# Altium PCB MD070B.PcbDoc (part 1 of 2) (continued)
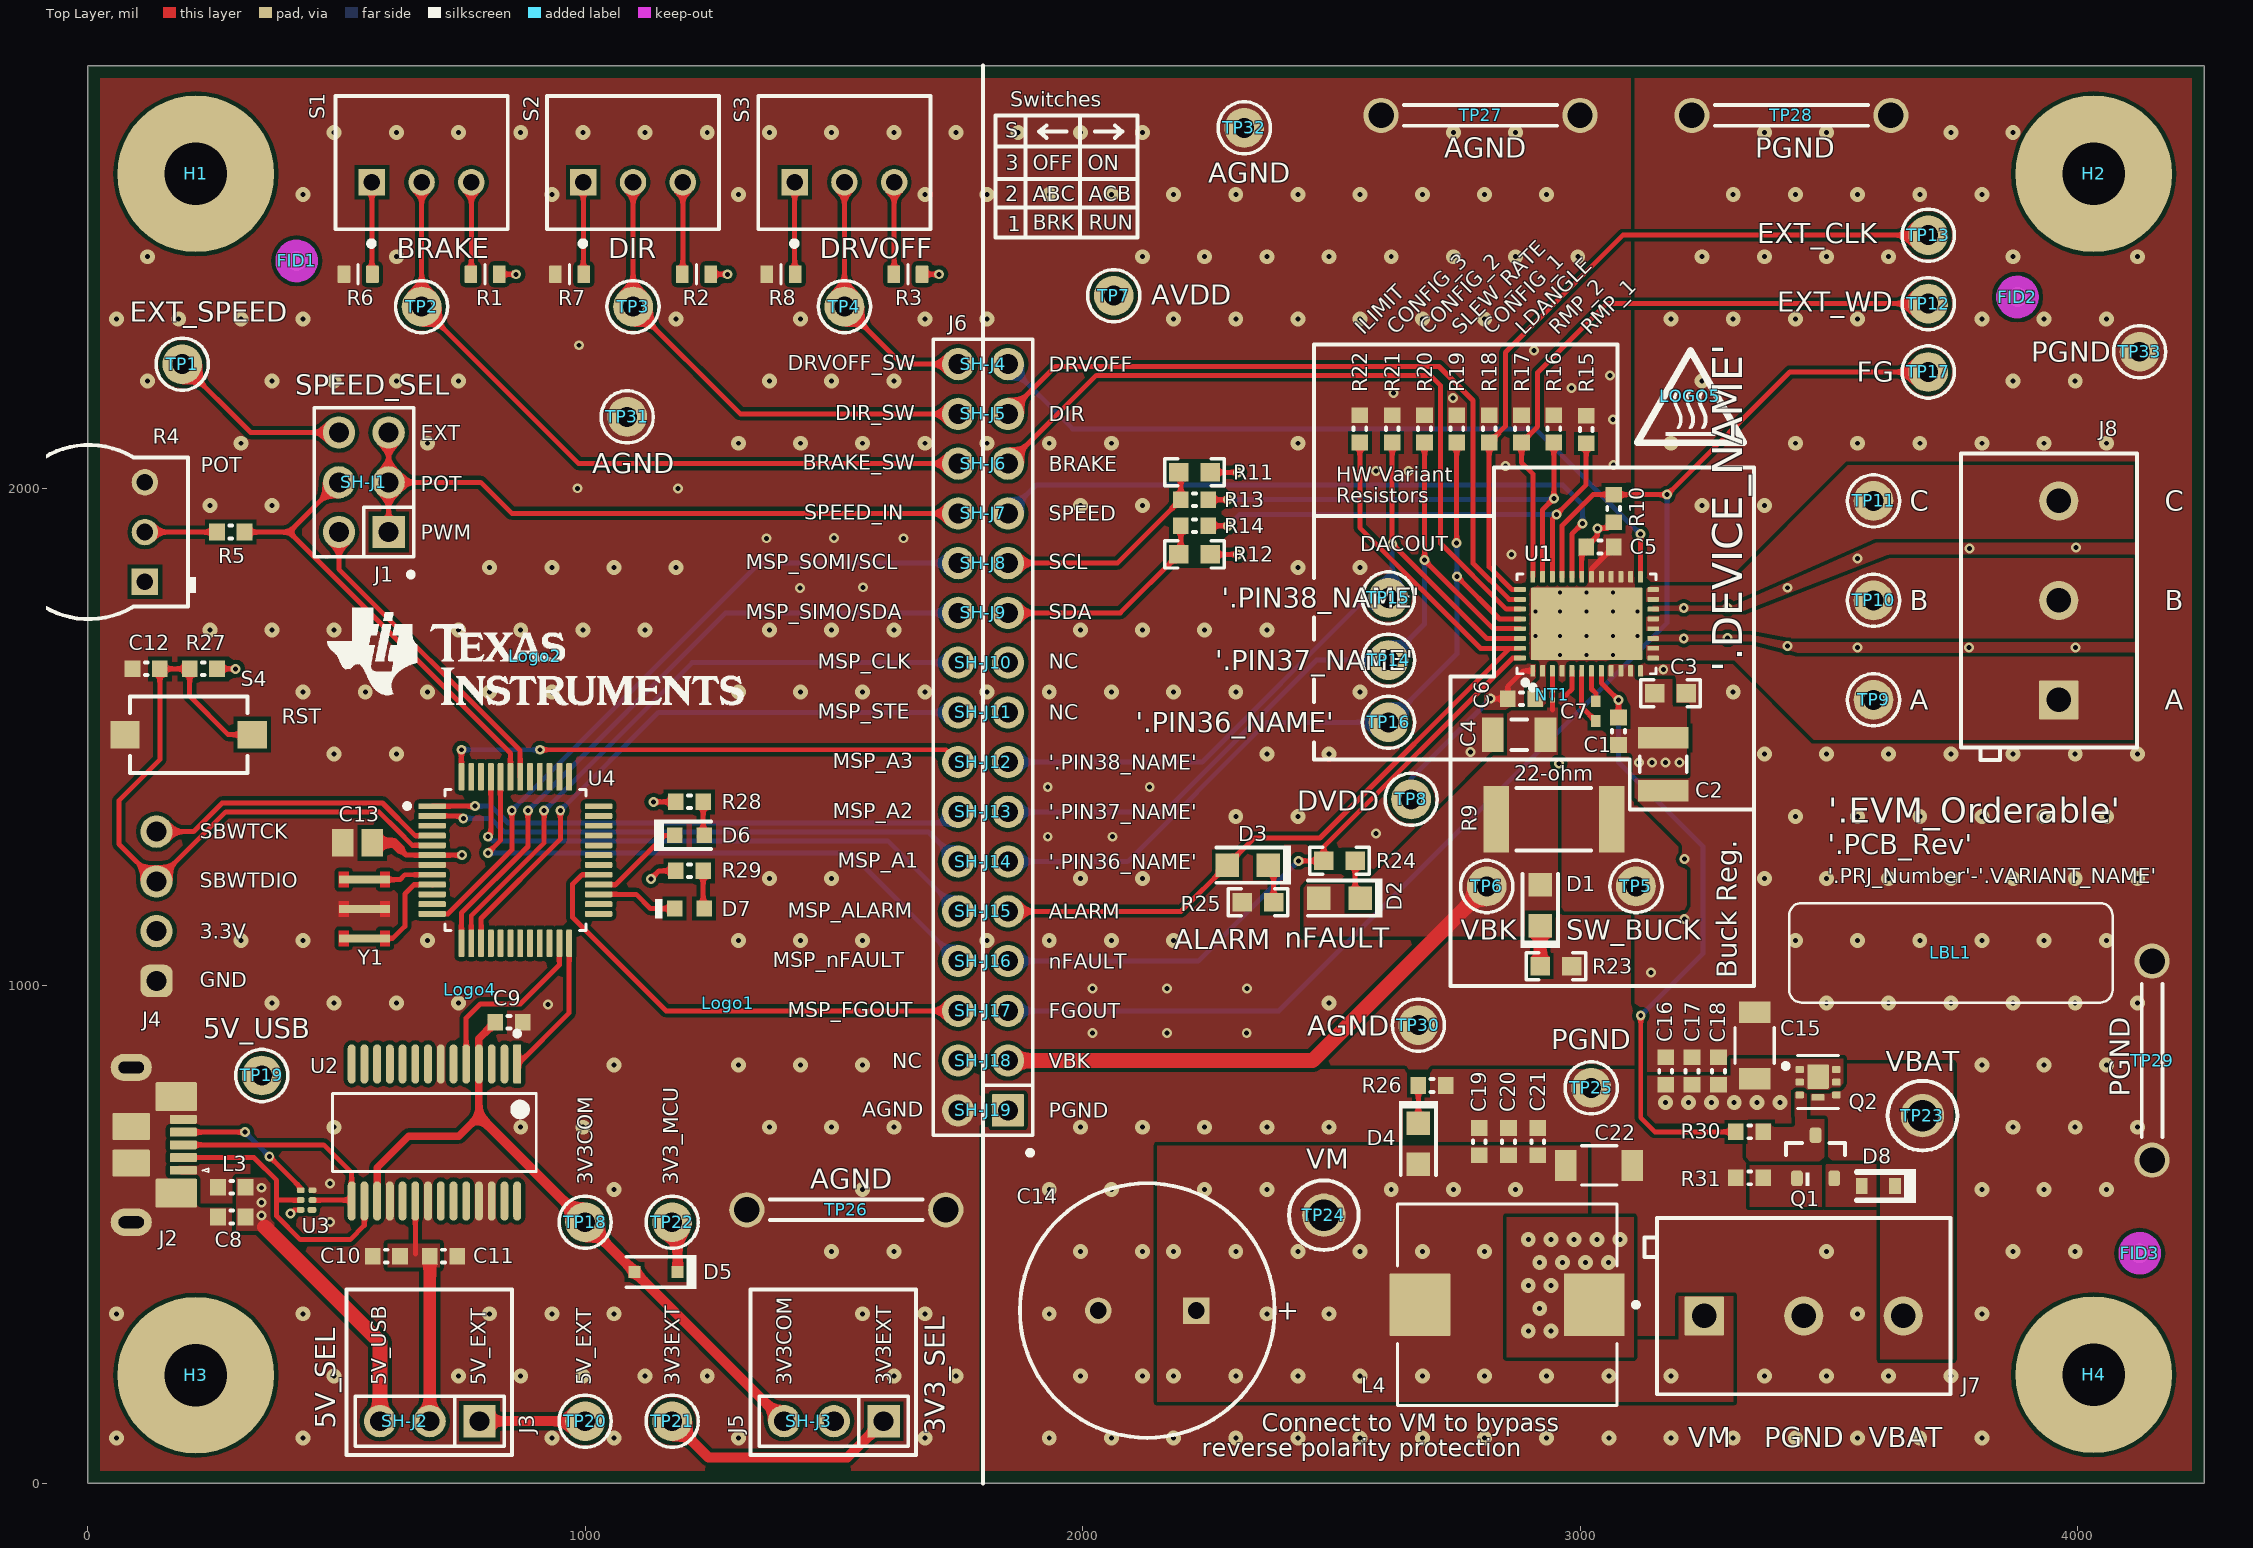
[diagram p0: Top Layer view]
## Components (designator, comment, footprint, x,y, rotation, side; value= is the part's Value field where it differs from the comment)
C1 "EMK107B7105KAHT" 0603L 3077.5,1511.99 r270 top value=1uF
C2 "GRM32ER71J106KA12L" 1210_270L 3167.36,1445.42 r270 top value=10uF
C3 "GRM188R72A104KA35D" 0603 3182.03,1588.3 r0 top value=0.1uF
C4 "GRM31CR71A226KE15L" 1206_180L 2877.5,1505 r180 top value=22uF
C5 "C0603C105K9RACAUTO" 0603L 3040,1882.5 r180 top value=1uF
C6 "C0603C105K9RACAUTO" 0603L 2882.5,1577.5 r180 top value=1uF
C7 "C1005X7R1H473K050BB" 0402L 3031.83,1552.5 r270 top value=0.047uF
C8 "0603ZC104KAT2A" 0603L 289.64,535.59 r180 top value=0.1uF
C9 "0603ZC104KAT2A" 0603L 847.14,927.09 r0 top value=0.1uF
C10 "GRM188Z71A475ME15D" 0603L 600.29,456.84 r0 top value=4.7uF
C11 "0603ZC104KAT2A" 0603L 715.29,456.96 r0 top value=0.1uF
C12 "885012206034" 0603L 117.5,1637.5 r180 top value=1000pF
C13 "885012207103" 0805L 542.5,1287.5 r180 top value=1uF
C14 "ELXZ630ELL331MK20S" Chemi-Con_1250x2000 2130,347.5 r180 top value=330uF
C15 "CL31B105KCHNNNE" 1206_180 3350.96,880.34 r90 top value=1uF
C16 "CGA3E3X7S2A104K080AB" 0603L 3172.01,828.83 r90 top value=0.1uF
C17 "CGA3E2X7R2A103K080AA" 0603L 3225.22,828.83 r90 top value=0.01uF
C18 "CGA3E2X7R2A102K080AA" 0603L 3278.42,828.83 r90 top value=1000pF
C19 "CGA3E2X7R2A102K080AA" 0603L 2797.51,686.94 r90 top value=1000pF
C20 "CGA3E2X7R2A103K080AA" 0603L 2856.26,686.94 r90 top value=0.01uF
C21 "CGA3E3X7S2A104K080AB" 0603L 2915.01,686.94 r90 top value=0.1uF
C22 "CL31B105KCHNNNE" 1206_180 3038.46,639.14 r0 top value=1uF
D1 "LTST-C170KGKT" LTST-C170KGKT_Green 2920,1162.5 r270 top value=Green
D2 "LTST-C170KRKT" LED_LTST-C170_Red 2516.5,1176.5 r0 top value=Red
D3 "LTST-C170KRKT" LED_LTST-C170_Red 2332.16,1243 r0 top value=Red
D4 "LTST-C170KGKT" LTST-C170KGKT_Green 2675,682.5 r90 top value=Green
D5 "BAT165E6327HTSA1" SOD-323 1142.5,425 r180 top value=40V
D6 "LTST-C190KRKT" LED_LTST-C190_Red 1209.64,1302.7 r180 top value=Red
D7 "LTST-C190KGKT" LED_LTST-C190_G 1209.64,1155.59 r180 top value=Green
D8 "CDSU101A" SOD-523F 3599.64,597.8 r180 top value=90V
FID1 "Fiducial" Fiducial10-20 420,2457.5 r0 top
FID2 "Fiducial" Fiducial10-20 3879.4,2385 r0 top
FID3 "Fiducial" Fiducial10-20 4125,462.5 r0 top
H1 "NY PMS 440 0025 PH" "NY PMS 440 0025 PH" 217.5,2632.5 r0 top
H2 "NY PMS 440 0025 PH" "NY PMS 440 0025 PH" 4032.5,2632.5 r0 top
H3 "NY PMS 440 0025 PH" "NY PMS 440 0025 PH" 217.5,217.5 r0 top
H4 "NY PMS 440 0025 PH" "NY PMS 440 0025 PH" 4032.5,218.36 r0 top
H5 "Nut" Keystone_1902C 217.5,2632.5 r180 bottom
H6 "Nut" Keystone_1902C 4032.5,2632.5 r180 bottom
H7 "Nut" Keystone_1902C 217.5,217.5 r180 bottom
H8 "Nut" Keystone_1902C 4032.5,218.36 r180 bottom
J1 "Header_3x2" TSW-103-07-G-D 555.01,2012.5 r90 top
J2 "1051640001" Molex_1051640001 30.41,680.59 r270 top
J3 "Header_3x1" PBC03SAAN 687.5,125 r180 top
J4 "TSW-104-07-G-S" TSW-104-07-G-S 138.36,1160.18 r90 top
J5 "Header_3x1" PBC03SAAN 1500,125 r180 top
J6 "TSW-116-07-G-D" TSW-116-07-G-D 1800,1500 r90 top
J7 "POWER_IN" On-Shore_ED120_3DS 3449.83,336.64 r0 top
J8 "MOTOR_OUT" On-Shore_ED120_3DS 3962.5,1775 r90 top
L1 "78438335470" WE-MAIA_3015 2962.5,1332.5 r180 bottom value=47uH
L2 "78438335220" WE-MAIA_3015 2962.5,1180 r180 bottom value=22uH
L3 "BLM18SG121TZ1D" 0603L 289.64,595.24 r180 top
L4 "HCM1A1104V2-1R0-R" FP-HCM1A1104V2-1R0-R_SMD2-MFG 2853.46,359.14 r180 top value=1uH
LBL1 "THT-14-423-10" Label_650x200 3745.5,1066.57 r180 top
Logo1 "CE Mark" CE_Mark_5mm 1287.85,965 r180 top
Logo2 "Texas Instruments" TI_Stacked_Overlay_Small 900,1662.5 r0 top
Logo3 "FCC disclaimer" FCC_disclaimer 8817.5,5262.5 r90 top
Logo4 "WEEE logo" WEEE_Minimum 769.14,992.5 r180 top
LOGO5 "CAUTION HOT SURFACE" IEC_HotSurface_Small 3222.08,2185 r0 top
LOGO6 "CAUTION HOT SURFACE" IEC_HotSurface_Small 2791,1733.5 r180 bottom
NT1 "Net-Tie" Net-Tie_10mil 2944.39,1585 r270 top net-tie
NT2 "Net-Tie" Net-Tie_50milWide_30milLong 2287.5,832.5 r270 bottom net-tie
Q1 "FMMT620TA" SOT-23L 3473.46,656.64 r90 top value="80 V"
Q2 "BUK9D23-40EX" FP-BUK9D23-40EX_SOT1220-MFG 3478.46,806.64 r0 top
R1 "ERA-3ARB103V" FP-ERA-3ARB103V_0603-MFG 798.83,2430.7 r0 top value=10k
R2 "ERA-3ARB103V" FP-ERA-3ARB103V_0603-MFG 1223.83,2430.7 r0 top value=10k
R3 "ERA-3ARB103V" FP-ERA-3ARB103V_0603-MFG 1648.83,2430.7 r0 top value=10k
R4 "3352T-1-253LF" Bourns_3352T 115,1912.5 r90 top value="25 kohm"
R5 "ERJ-3GEY0R00V" 0603L 287.5,1912.5 r180 top value=0
R6 "ERA-3ARB103V" FP-ERA-3ARB103V_0603-MFG 543.77,2430.7 r0 top value=10k
R7 "ERA-3ARB103V" FP-ERA-3ARB103V_0603-MFG 968.71,2430.7 r0 top value=10k
R8 "ERA-3ARB103V" FP-ERA-3ARB103V_0603-MFG 1393.71,2430.7 r0 top value=10k
R9 "CRCW251222R0JNEGHP" 2512 2947.5,1335 r180 top value=22
R10 "CRCW06035K10JNEA" 0603L 3067.5,1960 r270 top value=5.1k
R11 "CRCW060310K0JNEA" 0603 2225,2032.5 r180 top value=10k
R12 "CRCW060310K0JNEA" 0603 2225,1867.5 r180 top value=10k
R13 "ERJ-3GEY0R00V" 0603L 2225,1977.5 r0 top value=0
R14 "ERJ-3GEY0R00V" 0603L 2225,1925 r0 top value=0
R15 "ERJ-3GEY0R00V" 0603L 3012.5,2118.5 r90 top value=0
R16 "ERJ-3GEY0R00V" 0603L 2947.5,2120 r90 top value=0
R17 "ERJ-3GEY0R00V" 0603L 2882.5,2120 r90 top value=0
R18 "ERJ-3GEY0R00V" 0603L 2817.5,2120 r90 top value=0
R19 "ERJ-3GEY0R00V" 0603L 2752.5,2120 r90 top value=0
R20 "ERJ-3GEY0R00V" 0603L 2687.5,2120 r90 top value=0
R21 "ERJ-3GEY0R00V" 0603L 2622.5,2120 r90 top value=0
R22 "ERJ-3GEY0R00V" 0603L 2557.5,2120 r90 top value=0
R23 "RC0603FR-071KL" 0603 2951.5,1040 r180 top value=1.00k
R24 "RC0603FR-071KL" 0603 2516.5,1251.5 r0 top value=1.00k
R25 "RC0603JR-07470RL" 0603 2352.5,1168 r0 top value=470
R26 "RT0603BRD074K7L" 0603L 2702.56,800 r180 top value=4.70k
R27 "RC0603JR-0747KL" 0603L 232.5,1637.5 r0 top value=47k
R28 "RC0603JR-07470RL" 0603L 1209.64,1370.2 r180 top value=470
R29 "RC0603JR-07470RL" 0603L 1209.64,1231.43 r180 top value=470
R30 "CRCW060310K0JNEA" 0603L 3340.96,706.64 r0 top value=10k
R31 "CRCW060310K0JNEA" 0603L 3340.96,614.14 r180 top value=10k
R32 "RCA12060000ZSEA" 1206L 3107.5,2625 r0 bottom value=0
S1 "SW_SPDT_COM2_1_3" SW_B12AP 671.27,2655.07 r90 top
S2 "SW_SPDT_COM2_1_3" SW_B12AP 1096.27,2655.07 r90 top
S3 "SW_SPDT_COM2_1_3" SW_B12AP 1521.27,2655.07 r90 top
S4 "SW_SPST-single" SW_434121025816 203,1505.27 r180 top
SH-J1 "SNT-100-BK-G" SNT-100-BK-G 555,2012.5 r180 top value=1x2
SH-J2 "SNT-100-BK-G" SNT-100-BK-G 637.5,125 r0 top value=1x2
SH-J3 "SNT-100-BK-G" SNT-100-BK-G 1450,125 r0 top value=1x2
SH-J4 "SNT-100-BK-G" SNT-100-BK-G 1800,2250 r180 top value=1x2
SH-J5 "SNT-100-BK-G" SNT-100-BK-G 1800,2150 r180 top value=1x2
SH-J6 "SNT-100-BK-G" SNT-100-BK-G 1800,2050 r180 top value=1x2
SH-J7 "SNT-100-BK-G" SNT-100-BK-G 1800,1950 r180 top value=1x2
SH-J8 "SNT-100-BK-G" SNT-100-BK-G 1800,1850 r180 top value=1x2
SH-J9 "SNT-100-BK-G" SNT-100-BK-G 1800,1750 r180 top value=1x2
SH-J10 "SNT-100-BK-G" SNT-100-BK-G 1800,1650 r180 top value=1x2
SH-J11 "SNT-100-BK-G" SNT-100-BK-G 1800,1550 r180 top value=1x2
SH-J12 "SNT-100-BK-G" SNT-100-BK-G 1800,1450 r180 top value=1x2
SH-J13 "SNT-100-BK-G" SNT-100-BK-G 1800,1350 r180 top value=1x2
SH-J14 "SNT-100-BK-G" SNT-100-BK-G 1800,1250 r180 top value=1x2
SH-J15 "SNT-100-BK-G" SNT-100-BK-G 1800,1150 r180 top value=1x2
SH-J16 "SNT-100-BK-G" SNT-100-BK-G 1800,1050 r180 top value=1x2
SH-J17 "SNT-100-BK-G" SNT-100-BK-G 1800,950 r0 top value=1x2
SH-J18 "SNT-100-BK-G" SNT-100-BK-G 1800,850 r0 top value=1x2
SH-J19 "SNT-100-BK-G" SNT-100-BK-G 1800,750 r0 top value=1x2
TP1 "EXT_SPEED" Keystone5002 190,2250 r90 top
TP2 "BRAKE_SW" Keystone5002 671.27,2365.7 r270 top
TP3 "DIR_SW" Keystone5002 1096.27,2365.7 r270 top
TP4 "DRVOFF_SW" Keystone5002 1521.27,2365.7 r270 top
TP5 "SW_BUCK" Keystone5000 3112.5,1200 r90 top
TP6 "VBK" Keystone5000 2812.5,1200 r90 top
TP7 "AVDD" Keystone5000 2062.62,2387.68 r90 top
TP8 "DVDD" Keystone5000 2660.5,1375 r90 top
TP9 "OUTA" Keystone5000 3590,1575 r90 top
TP10 "OUTB" Keystone5000 3590,1775 r90 top
TP11 "OUTC" Keystone5000 3590,1975 r90 top
TP12 "EXT_WD" Keystone5002 3700,2371.75 r90 top
TP13 "EXT_CLK" Keystone5002 3700,2509.25 r90 top
TP14 "PIN_37" Keystone5002 2615,1655 r90 top
TP15 "PIN_38" Keystone5002 2614.5,1780 r90 top
TP16 "PIN_36" Keystone5002 2615,1530 r90 top
TP17 "FG" Keystone5002 3700,2234.25 r90 top
TP18 "3V3COM" Keystone5000 1000,525 r90 top
TP19 "5V_USB" Keystone5000 350,820 r90 top
TP20 "5V_EXT" Keystone5000 1000,125 r90 top
TP21 "3V3EXT" Keystone5000 1175,125 r90 top
TP22 "3V3_MCU" Keystone5000 1175,525 r90 top
TP23 "VBAT" Keystone5005 3688.46,739.3 r180 top
TP24 "VM" Keystone5005 2485,539.22 r180 top
TP25 "PGND" Keystone5001 3022.5,795 r270 top
TP26 "AGND" Harwin_D3082-05 1525,550 r180 top
TP27 "AGND" Harwin_D3082-05 2800,2750 r180 top
TP28 "PGND" Harwin_D3082-05 3425,2750 r180 top
TP29 "PGND" Harwin_D3082-05 4150,850 r90 top
TP30 "AGND" Keystone5001 2675,921.22 r90 top
TP31 "AGND" Keystone5001 1084.5,2144 r90 top
TP32 "AGND" Keystone5001 2325,2725 r90 top
TP33 "PGND" Keystone5001 4125,2275 r90 top
U1 "MCT8315A1VRGFR" RGF0040E-MFG 3013.29,1728.01 r90 top
U1 "MCF8315C1VQRGFRQ1" RGF0040F-MFG 3013.29,1728.01 r90 top
U2 "FT232RNL-REEL" FP-FT232RNL-REEL_SSOP28-MFG 696.98,705.42 r270 top
U3 "TPD4E004DRYR" DRY0006A 440,569.59 r180 top
U4 "MSP430FR2355TPTR" PT0048A-MFG 859.64,1253.09 r0 top
Y1 "CSTCR4M00G55B-R0" Murata_CSTCR_G 556.22,1154.67 r270 top
ZZ1 "This Assembly Note is for PCB labels only" AssemblyNoteLabel 80,3455.5 r0 top
ZZ2 "These assemblies are ESD sensitive, ESD precautions shall be observed." AssemblyNote 80,3351.61 r0 top
ZZ3 "These assemblies must be clean and free from flux and all contaminants. Use of no clean flux is not acceptable." AssemblyNote 80,3263.06 r0 top
ZZ4 "These assemblies must comply with workmanship standards IPC-A-610 Class 2, unless otherwise specified." AssemblyNote 80,3174.5 r0 top

## Footprints (in the part's own frame and the unit in brackets; to place one, negate y for a bottom-side part, rotate by r counter-clockwise, add the part's x,y. Pads: shape width x height; smd on the part's side, far side on the other; paste and mask are expansions set on the pad)
0402L [mm] "0402 from SM-752 data"
  rect 0.6x0.5 smd: 1(-0.5,0) 2(0.5,0)
  body extent -0.55,-0.3 0.55,0.3, height 0.6
0603 [mm] "0603 from SM-752 data"
  rect 1x0.95 smd: 1(-0.8,0) 2(0.8,0)
  silkscreen extent -1.52,-0.69 1.52,0.69, body extent -0.87,-0.47 0.87,0.47, height 1
0603L [mm] "0603 from SM-752 data"
  rect 0.8x0.85 smd: 1(-0.7,0) 2(0.7,0)
  silkscreen extent -0.07,-0.33 0.07,0.33, body extent -0.87,-0.47 0.87,0.47, height 1
0805L [mm] "0805 from SM-752 data"
  rect 1.1x1.4 smd: 1(-0.75,0) 2(0.75,0)
  body extent -1.1,-0.72 1.1,0.72, height 1.45
1206_180 [mm] "1206_180"
  rect 1.1x1.6 smd: 1(-1.7,0) 2(1.7,0)
  silkscreen extent -0.9,-1 0.9,1, body extent -1.75,-0.95 1.75,0.95, height 1.8
1206_180L [mm] "1206_180"
  rect 1.1x1.75 smd: 1(-1.35,0) 2(1.35,0)
  silkscreen extent -0.4,-0.77 0.4,0.77, body extent -1.75,-0.95 1.75,0.95, height 1.8
1206L [mm] "1206 from SM-752 data"
  rect 1.1x1.75 smd: 1(-1.35,0) 2(1.35,0)
  silkscreen extent -0.4,-0.77 0.4,0.77, body extent -1.7,-0.9 1.7,0.9, height 1.35
1210_270L [mm] "1210"
  rect 1.1x2.6 smd: 1(-1.35,0) 2(1.35,0)
  silkscreen extent -0.4,-1.2 0.4,1.2, body extent -1.7,-1.35 1.7,1.35, height 2.7
2512 [mm] "Chip Resistor, Body 6.3x3.2mm, IPC Medium Density"
  rect 1.3x3.4 smd: 1(-2.95,0) 2(2.95,0)
  silkscreen extent -1.9,-1.6 1.9,1.6, body extent -3.22,-1.67 3.22,1.67, height 0.71
AssemblyNote [mil] "Assembly Note"
AssemblyNoteLabel [mil] "Assembly Note for PCB Labels"
Bourns_3352T [mm] "TH, 3-Leads, Body 9.53x8.89mm, Pitch 2.54mm"
  rect 1.35x1.35 hole 0.85: 1(-2.54,0)
  round 1.35 hole 0.85: 2(0,0) 3(2.54,0)
  silkscreen extent -4.44,-2.6 4.44,7.31, body extent -4.44,-2.21 4.45,7.32, height 3.81
CE_Mark_5mm [mil] "Minimum text height for CE Mark"
Chemi-Con_1250x2000 [mm] "TH, 2-Leads, Dia 12.5mm, Lead Sapcing 5mm"
  rect 1.35x1.35 hole 0.85: 1(-2.5,0)
  round 1.35 hole 0.85: 2(2.5,0)
  silkscreen extent -6.5,-6.5 6.5,6.5, body extent -6.5,-6.5 6.51,6.5, height 21.5
DRY0006A [mm] "USON-6"
  rrect67% 0.45x0.3 smd paste-0.05 mask-0.05: 1(-0.275,0.5)
  rrect67% 0.4x0.3 smd paste-0.05 mask-0.05: 2(-0.3,0) 3(-0.3,-0.5) 4(0.3,-0.5) 5(0.3,0) 6(0.3,0.5)
  body extent -0.5,-0.72 0.5,0.73, height 0.58
FCC_disclaimer [mil]
Fiducial10-20 [mm]
  round 1 smd mask+0.5: 1(0,0)
  Top Layer keep-out circle w1.178: c0,0 r0.5
FP-BUK9D23-40EX_SOT1220-MFG [mm]
  rrect29% 0.43x0.35 smd paste-1000 mask+0: 1(-0.935,0.65) 2(-0.935,0) 3(-0.935,-0.65) 4(0.935,-0.65) 5(0.935,0) 6(0.935,0.65)
  rrect9% 1.1x1.25 smd paste-1000 mask+0: 7(0,0.285)
  rrect29% 0.66x0.35 smd paste-1000 mask+0: 8(0,-0.775)
  silkscreen extent -1.77,-1.35 1.05,1.35, body extent -1.25,-1.15 1.25,1.15, height 0.25
FP-ERA-3ARB103V_0603-MFG [mm] "0603 from SM-752 data"
  rrect15% 0.65x0.9 smd paste+0 mask+0: 1(-0.725,0) 2(0.725,0)
  silkscreen extent 0,-0.5 0,0.5, body extent -1.15,-0.6 1.15,0.6, height 0.25
FP-FT232RNL-REEL_SSOP28-MFG [mm] "SOP, 28-Leads, Body 10.2x5.3mm, Pitch 0.65mm, IPC Medium Density"
  rrect25% 2x0.4 smd paste+0 mask+0: 1(-3.5,4.225)
  rrect100% 2x0.4 smd paste+0 mask+0: 2(-3.5,3.575) 3(-3.5,2.925) 4(-3.5,2.275) 5(-3.5,1.625) 6(-3.5,0.975) 7(-3.5,0.325) 8(-3.5,-0.325) 9(-3.5,-0.975) 10(-3.5,-1.625) 11(-3.5,-2.275) 12(-3.5,-2.925) 13(-3.5,-3.575) 14(-3.5,-4.225) 15(3.5,-4.225) 16(3.5,-3.575) 17(3.5,-2.925) 18(3.5,-2.275) 19(3.5,-1.625) 20(3.5,-0.975) 21(3.5,-0.325) 22(3.5,0.325) 23(3.5,0.975) 24(3.5,1.625) 25(3.5,2.275) 26(3.5,2.925) 27(3.5,3.575) 28(3.5,4.225)
  silkscreen extent -5.17,-5.2 2,5.2, body extent -4.6,-5.3 4.6,5.3, height 0.25
FP-HCM1A1104V2-1R0-R_SMD2-MFG [mm] "SMD, 2-Leads, Body 10.8x10mm"
  rrect3% 3.1x3.2 smd paste+0 mask+0: 1(-4.45,0) 2(4.45,0)
  silkscreen extent -6.7,-5.15 5.6,5.15, body extent -6.1,-5.25 6.1,5.25, height 0.25
Harwin_D3082-05 [mm] "Shorting Plug, 10.16mm spacing, TH"
  round 1.8 hole 1.3: 1(-5.08,0) 2(5.08,0)
  silkscreen extent -3.9,-0.53 3.9,0.53, body extent -5.6,-0.52 5.61,0.52, height 6.63
IEC_HotSurface_Small [mil]
  silkscreen extent -107,-93 107,92
Keystone5000 [mil] "For Keystone 500x miniature loop terminals"
  round 80 hole 40: 1(0,0)
  silkscreen extent -52,-52 52,52, body extent -49,-49 49,49, height 182
Keystone5001 [mil] "For Keystone 500x miniature loop terminals"
  round 80 hole 40: 1(0,0)
  silkscreen extent -52,-52 52,52, body extent -49,-49 49,49, height 182
Keystone5002 [mil] "For Keystone 500x miniature loop terminals"
  round 80 hole 40: 1(0,0)
  silkscreen extent -52,-52 52,52, body extent -49,-49 49,49, height 182
Keystone5005 [mil] "Keystone Compact loops"
  round 87 hole 63: 1(0,0)
  silkscreen extent -70,-70 70,70, body extent -63,-63 62,63, height 225
Keystone_1902C [mil] "Hex Standoff, 4-40 threaded, nylon"
  round 1 on Mech4: 0(0,0)
  body extent -145,-126 146,126, height 501
Label_650x200 [mil] "Thermal Transfer Label"
  round 1 on Mech13: 0(0,0)
  silkscreen extent -325,-100 325,100, body extent -325,-100 325,100, height 1
LED_LTST-C170_Red [mm] "LITE-ON"
  rect 1.2x1.2 smd: 1(-1.05,0) 2(1.05,0)
  silkscreen extent -1.6,-1 2.2,1, body extent -1.05,-0.67 1.05,0.67, height 1.1
LED_LTST-C190_G [mm] "Lite-On"
  rect 0.8x0.8 smd: 1(-0.75,0) 2(0.75,0)
  silkscreen extent 1.37,-0.5 1.75,0.5, body extent -0.85,-0.45 0.85,0.45, height 0.9
LED_LTST-C190_Red [mm] "Lite-On"
  rect 0.8x0.8 smd: 1(-0.75,0) 2(0.75,0)
  silkscreen extent -1.1,-0.8 1.8,0.8, body extent -0.85,-0.45 0.85,0.45, height 0.9
LTST-C170KGKT_Green [mm] "LITE-ON"
  rect 1.2x1.2 smd: 1(-1.05,0) 2(1.05,0)
  silkscreen extent -1.6,-1 2.2,1, body extent -1.05,-0.67 1.05,0.67, height 1.1
Molex_1051640001 [mm] "Receptacle, USB 2.0, Micro B, 5 Pos, 0.65mm Pitch, R/A, SMT"
  rrect22% 0.45x1.38 smd: 1(1.3,4.11) 2(0.65,4.11) 3(0,4.11) 4(-0.65,4.11) 5(-1.3,4.11)
  rrect7% 1.475x2.1 smd: 6(-2.462,3.75) 11(2.462,3.75)
  rrect100% 1.4x2.1 hole 0.6 slot 1.3 at 90 deg: 7(-3.95,1.45) 10(3.95,1.45)
  rrect7% 1.375x1.9 smd: 8(-0.937,1.45) 9(0.937,1.45)
  silkscreen extent 1.2,5.1 1.4,5.4, body extent -4.1,-0.7 4.1,4.47, height 2.45
Murata_CSTCR_G [mm] "Murata"
  rect 0.4x2.6 smd: 1(-1.5,0) 2(0,0) 3(1.5,0)
  Top Layer region: 1.1,-1.301 1.1,-0.801 1.9,-0.801 1.9,-1.301
  Top Layer region: 1.1,0.8 1.9,0.8 1.9,1.3 1.1,1.3
  Top Layer region: -1.9,-1.301 -1.9,-0.801 -1.1,-0.801 -1.1,-1.301
  Top Layer region: -1.9,0.8 -1.1,0.8 -1.1,1.3 -1.9,1.3
  Top Layer region: -0.4,-1.301 -0.4,-0.801 0.4,-0.801 0.4,-1.301
  Top Layer region: -0.4,0.8 0.4,0.8 0.4,1.3 -0.4,1.3
  body extent -2.25,-1 2.25,1, height 1.16
Net-Tie_10mil [mil] "10mil net tie, no solder mask opening, no solder paste"
  rect 10x10 smd paste-5 mask-5: 1(-10,0) 2(10,0)
  Top Layer region: -6,5 6,5 6,-5 -6,-5
Net-Tie_50milWide_30milLong [mil] "50mil net tie, no solder mask opening, no solder paste"
  rect 30x50 smd paste-20 mask-20: 1(-15,0) 2(15,0)
"NY PMS 440 0025 PH" [mm] "4-40 nylon screw and mounting hole"
  round 8 hole 3.2: 1(0,0)
  body extent -3.3,-3.3 3.3,3.3, height 2.69
On-Shore_ED120_3DS [mm] "ONSHORE"
  rrect5% 2x2 hole 1.25: 1(-5.08,0)
  round 2 hole 1.25: 2(0,0) 3(5.08,0)
  silkscreen extent -8.14,-4 7.5,5, body extent -8.32,-4 7.62,5, height 13
PBC03SAAN [mm] "Sullins 100mil, 1x3, 230 mil above insulator"
  rect 1.65x1.65 hole 1.016: 1(-2.54,0)
  round 1.65 hole 1.016: 2(0,0) 3(2.54,0)
  silkscreen extent -3.81,-1.27 3.81,1.27, body extent -3.81,-1.27 3.81,1.27, height 8.38
PT0048A-MFG [mm] "Thin QFP, 48-Leads, Body 7x7mm, Pitch 0.5mm, IPC Medium Density"
  rrect33% 1.4x0.3 smd paste-1000 mask+0: 1(-4.25,2.75) 2(-4.25,2.25) 3(-4.25,1.75) 4(-4.25,1.25) 5(-4.25,0.75) 6(-4.25,0.25) 7(-4.25,-0.25) 8(-4.25,-0.75) 9(-4.25,-1.25) 10(-4.25,-1.75) 11(-4.25,-2.25) 12(-4.25,-2.75) 25(4.25,-2.75) 26(4.25,-2.25) 27(4.25,-1.75) 28(4.25,-1.25) 29(4.25,-0.75) 30(4.25,-0.25) 31(4.25,0.25) 32(4.25,0.75) 33(4.25,1.25) 34(4.25,1.75) 35(4.25,2.25) 36(4.25,2.75)
  rrect33% 0.3x1.4 smd paste-1000 mask+0: 13(-2.75,-4.25) 14(-2.25,-4.25) 15(-1.75,-4.25) 16(-1.25,-4.25) 17(-0.75,-4.25) 18(-0.25,-4.25) 19(0.25,-4.25) 20(0.75,-4.25) 21(1.25,-4.25) 22(1.75,-4.25) 23(2.25,-4.25) 24(2.75,-4.25) 37(2.75,4.25) 38(2.25,4.25) 39(1.75,4.25) 40(1.25,4.25) 41(0.75,4.25) 42(0.25,4.25) 43(-0.25,4.25) 44(-0.75,4.25) 45(-1.25,4.25) 46(-1.75,4.25) 47(-2.25,4.25) 48(-2.75,4.25)
  silkscreen extent -5.65,-3.6 3.6,3.6, body extent -5.05,-5.05 5.05,5.05, height 0.25
RGF0040E-MFG [mm]
  rrect40% 0.6x0.25 smd paste+0 mask+0: 1(-2.4,2.75) 2(-2.4,2.25) 3(-2.4,1.75) 4(-2.4,1.25) 5(-2.4,0.75) 6(-2.4,0.25) 7(-2.4,-0.25) 8(-2.4,-0.75) 9(-2.4,-1.25) 10(-2.4,-1.75) 11(-2.4,-2.25) 12(-2.4,-2.75) 21(2.4,-2.75) 22(2.4,-2.25) 23(2.4,-1.75) 24(2.4,-1.25) 25(2.4,-0.75) 26(2.4,-0.25) 27(2.4,0.25) 28(2.4,0.75) 29(2.4,1.25) 30(2.4,1.75) 31(2.4,2.25) 32(2.4,2.75)
  rrect40% 0.25x0.6 smd paste+0 mask+0: 13(-1.75,-3.4) 14(-1.25,-3.4) 15(-0.75,-3.4) 16(-0.25,-3.4) 17(0.25,-3.4) 18(0.75,-3.4) 19(1.25,-3.4) 20(1.75,-3.4) 33(1.75,3.4) 34(1.25,3.4) 35(0.75,3.4) 36(0.25,3.4) 37(-0.25,3.4) 38(-0.75,3.4) 39(-1.25,3.4) 40(-1.75,3.4)
  rrect3% 3.7x5.7 smd paste-1000 mask+0: 41(0,0)
  silkscreen extent -3.12,-3.55 2.55,3.55, body extent -2.8,-3.8 2.8,3.8, height 0.25
RGF0040F-MFG [mm]
  rrect40% 0.6x0.25 smd paste+0 mask+0: 1(-2.4,2.75) 2(-2.4,2.25) 3(-2.4,1.75) 4(-2.4,1.25) 5(-2.4,0.75) 6(-2.4,0.25) 7(-2.4,-0.25) 8(-2.4,-0.75) 9(-2.4,-1.25) 10(-2.4,-1.75) 11(-2.4,-2.25) 12(-2.4,-2.75) 21(2.4,-2.75) 22(2.4,-2.25) 23(2.4,-1.75) 24(2.4,-1.25) 25(2.4,-0.75) 26(2.4,-0.25) 27(2.4,0.25) 28(2.4,0.75) 29(2.4,1.25) 30(2.4,1.75) 31(2.4,2.25) 32(2.4,2.75)